# Allegro board S071AA-0413-20260427_Power3.brd (continued)
## Routing (per net, layer and track width the routed paths; a pad name or vN(x,y) marks a point on that pad's centre or on a via; arc(x,y) is an arc through that point) (continued)
91.71,394.77 ; D432.A11 30.75,407.47 ; D432.A11 31.82,406.4 ; D432.A11 30.75,405.33 ; D432.A11 29.68,406.4 ; 119.65,37.03 D124.B13 ; D124.B13 119.65,39.17 ; D124.B13 118.58,38.1 ; D124.B13 120.72,38.1 ; D107.A15 272.05,54.41 ; D107.A15 272.05,52.27 ; D107.A15 273.12,53.34 ; D107.A15 270.98,53.34 ; D119.B2 19.12,60.96 ; D119.B2 18.05,62.03 ; D119.B2 18.05,59.89 ; D119.B2 16.98,60.96 ; D115.A3 199.46,375.92 ; D115.A3 198.39,376.99 ; D115.A3 197.32,375.92 ; D115.A3 198.39,374.85 ; 169.38,353.06 D114.A14 ; D114.A14 171.52,353.06 ; D114.A14 170.45,354.13 ; D114.A14 170.45,351.99 ; D431.B12 29.28,378.46 ; D431.B12 28.21,377.39 ; D431.B12 27.14,378.46 ; D431.B12 28.21,379.53 ; 44.72,353.54 UHC230.G3_5 ; UHC230.G3_5 45.53,352.73 ; UHC230.G3_5 46.34,353.54 ; UHC230.G3_5 45.53,354.35 ; 189.7,388.62 D116.B6 ; D116.B6 190.77,387.55 ; D116.B6 191.84,388.62 ; D116.B6 190.77,389.69 ; D115.B8 186.76,368.3 ; D115.B8 185.69,367.23 ; D115.B8 185.69,369.37 ; D115.B8 184.62,368.3 ; UHC430.G2_4 47.83,364.51 ; UHC430.G2_4 47.83,362.89 ; UHC430.G2_4 48.64,363.7 ; UHC430.G2_4 47.02,363.7 ; D232.B13 25.67,392.23 ; D232.B13 24.6,391.16 ; D232.B13 26.74,391.16 ; D232.B13 25.67,390.09 ; 23.13,59.89 D119.B4 ; D119.B4 22.06,60.96 ; D119.B4 23.13,62.03 ; D119.B4 24.2,60.96 ; 128.74,401.32 D428.B1 ; D428.B1 129.81,400.25 ; D428.B1 129.81,402.39 ; D428.B1 130.88,401.32 ; SB14.1 113.9,11.83 114.57,12.5 DPS3.A11 ; CSDPS429.C7 40.91,341.43 ; CSDPS429.C7 40.91,339.29 ; CSDPS429.C7 41.98,340.36 ; CSDPS429.C7 39.84,340.36 ; D119.A7 31.82,53.34 ; D119.A7 30.75,52.27 ; D119.A7 30.75,54.41 ; D119.A7 29.68,53.34 ; DPS3.B01 89.17,17.58 ; DPS3.B01 88.1,16.51 ; DPS3.B01 90.24,16.51 ; DPS3.B01 89.17,15.44 ; 109.49,339.29 CSDPS425.C9 ; CSDPS425.C9 110.56,340.36 ; CSDPS425.C9 108.42,340.36 ; CSDPS425.C9 109.49,341.43 ; 116.04,393.7 D228.A6 ; D228.A6 118.18,393.7 ; D228.A6 117.11,392.63 ; D228.A6 117.11,394.77 ; 19.18,361.14 UHC430.G1_6 ; UHC430.G1_6 18.37,361.95 ; UHC430.G1_6 19.18,362.76 ; UHC430.G1_6 19.99,361.95 ; D105.B7 252.8,99.06 ; D105.B7 251.73,100.13 ; D105.B7 250.66,99.06 ; D105.B7 251.73,97.99 ; 117.11,75.13 D122.A12 ; D122.A12 116.04,76.2 ; D122.A12 117.11,77.27 ; D122.A12 118.18,76.2 ; 103.34,386.08 D427.A11 ; D427.A11 105.48,386.08 ; D427.A11 104.41,387.15 ; D427.A11 104.41,385.01 ; D102.A2 166.44,76.2 ; D102.A2 164.3,76.2 ; D102.A2 165.37,77.27 ; D102.A2 165.37,75.13 ; 43.45,331.67 CSDPS229.B6 ; CSDPS229.B6 42.38,332.74 ; CSDPS229.B6 44.52,332.74 ; CSDPS229.B6 43.45,333.81 ; D227.B9 109.49,371.91 ; D227.B9 109.49,369.77 ; D227.B9 108.42,370.84 ; D227.B9 110.56,370.84 ; D110.A12 249.19,354.13 ; D110.A12 249.19,351.99 ; D110.A12 250.26,353.06 ; D110.A12 248.12,353.06 ; 53.36,147.98 KS3.6 ; KS3.6 52.24,149.1 ; KS3.6 53.36,150.22 ; KS3.6 54.47,149.1 ; D227.A10 106.95,374.45 ; D227.A10 106.95,372.31 ; D227.A10 108.02,373.38 ; D227.A10 105.88,373.38 ; D119.A9 35.83,54.41 ; D119.A9 34.76,53.34 ; D119.A9 36.9,53.34 ; D119.A9 35.83,52.27 ; 273.52,60.96 D107.B16 ; D107.B16 274.59,62.03 ; D107.B16 275.66,60.96 ; D107.B16 274.59,59.89 ; D123.A1 89.17,54.41 ; D123.A1 89.17,52.27 ; D123.A1 90.24,53.34 ; D123.A1 88.1,53.34 ; D428.B17 90.24,401.32 ; D428.B17 88.1,401.32 ; D428.B17 89.17,400.25 ; D428.B17 89.17,402.39 ; D115.A1 203.47,376.99 ; D115.A1 203.47,374.85 ; D115.A1 204.54,375.92 ; D115.A1 202.4,375.92 ; 254.27,367.23 D111.B10 ; D111.B10 255.34,368.3 ; D111.B10 253.2,368.3 ; D111.B10 254.27,369.37 ; D432.A3 51.07,407.47 ; D432.A3 52.14,406.4 ; D432.A3 50,406.4 ; D432.A3 51.07,405.33 ; D106.B4 244.11,82.35 ; D106.B4 243.04,81.28 ; D106.B4 244.11,80.21 ; D106.B4 245.18,81.28 ; D103.A15 198.39,54.41 ; D103.A15 199.46,53.34 ; D103.A15 198.39,52.27 ; D103.A15 197.32,53.34 ; 89.17,395.17 D228.A17 ; D228.A17 88.1,396.24 ; D228.A17 90.24,396.24 ; D228.A17 89.17,397.31 ; 119.65,52.27 D123.A13 ; D123.A13 120.72,53.34 ; D123.A13 118.58,53.34 ; D123.A13 119.65,54.41 ; D108.B2 239.03,41.71 ; D108.B2 239.03,39.57 ; D108.B2 240.1,40.64 ; D108.B2 237.96,40.64 ; 195.85,346.91 D114.B4 ; D114.B4 196.92,347.98 ; D114.B4 194.78,347.98 ; D114.B4 195.85,349.05 ; 258.28,55.88 D107.A10 ; D107.A10 259.35,56.95 ; D107.A10 260.42,55.88 ; D107.A10 259.35,54.81 ; DPS8.C15 20.59,411.28 ; DPS8.C15 21.66,410.21 ; DPS8.C15 20.59,409.14 ; DPS8.C15 19.52,410.21 ; D103.A7 178.07,54.41 ; D103.A7 178.07,52.27 ; D103.A7 177,53.34 ; D103.A7 179.14,53.34 ; D106.B1 237.56,78.74 ; D106.B1 235.42,78.74 ; D106.B1 236.49,79.81 ; D106.B1 236.49,77.67 ; 254.27,351.99 D110.A10 ; D110.A10 255.34,353.06 ; D110.A10 254.27,354.13 ; D110.A10 253.2,353.06 ; D432.B5 45.99,402.39 ; D432.B5 45.99,400.25 ; D432.B5 47.06,401.32 ; D432.B5 44.92,401.32 ; 256.81,369.77 D111.B9 ; D111.B9 255.74,370.84 ; D111.B9 256.81,371.91 ; D111.B9 257.88,370.84 ; D228.B14 96.79,389.69 ; D228.B14 97.86,388.62 ; D228.B14 95.72,388.62 ; D228.B14 96.79,387.55 ; 170.45,39.57 D104.B4 ; D104.B4 170.45,41.71 ; D104.B4 171.52,40.64 ; D104.B4 169.38,40.64 ; D124.A11 115.64,33.02 ; D124.A11 114.57,31.95 ; D124.A11 114.57,34.09 ; D124.A11 113.5,33.02 ; D104.A1 162.83,34.09 ; D104.A1 161.76,33.02 ; D104.A1 163.9,33.02 ; D104.A1 162.83,31.95 ; 20.59,339.29 CSDPS429.C15 ; CSDPS429.C15 19.52,340.36 ; CSDPS429.C15 20.59,341.43 ; CSDPS429.C15 21.66,340.36 ; D106.B13 268.04,78.74 ; D106.B13 266.97,77.67 ; D106.B13 266.97,79.81 ; D106.B13 265.9,78.74 ; 273.52,393.7 D112.A2 ; D112.A2 274.59,394.77 ; D112.A2 275.66,393.7 ; D112.A2 274.59,392.63 ; 104.41,72.59 D122.A7 ; D122.A7 105.48,73.66 ; D122.A7 103.34,73.66 ; D122.A7 104.41,74.73 ; 263.36,347.98 D110.B6 ; D110.B6 264.43,346.91 ; D110.B6 264.43,349.05 ; D110.B6 265.5,347.98 ; D105.A16 275.66,96.52 ; D105.A16 274.59,95.45 ; D105.A16 273.52,96.52 ; D105.A16 274.59,97.59 ; 198.39,349.45 D114.B3 ; D114.B3 197.32,350.52 ; D114.B3 198.39,351.59 ; D114.B3 199.46,350.52 ; 197.32,370.84 D115.B3 ; D115.B3 198.39,369.77 ; D115.B3 198.39,371.91 ; D115.B3 199.46,370.84 ; D120.B1 16.58,38.1 ; D120.B1 15.51,39.17 ; D120.B1 15.51,37.03 ; D120.B1 14.44,38.1 ; D102.B12 191.84,81.28 ; D102.B12 189.7,81.28 ; D102.B12 190.77,82.35 ; D102.B12 190.77,80.21 ; 199.86,96.52 D101.A16 ; D101.A16 200.93,95.45 ; D101.A16 200.93,97.59 ; D101.A16 202,96.52 ; 184.62,101.6 D101.B10 ; D101.B10 185.69,102.67 ; D101.B10 186.76,101.6 ; D101.B10 185.69,100.53 ; 129.81,329.13 CSDPS225.C1 ; CSDPS225.C1 129.81,331.27 ; CSDPS225.C1 130.88,330.2 ; CSDPS225.C1 128.74,330.2 ; 203.47,329.13 D113.B1 ; D113.B1 204.54,330.2 ; D113.B1 202.4,330.2 ; D113.B1 203.47,331.27 ; 34.76,370.84 D231.B9 ; D231.B9 35.83,369.77 ; D231.B9 35.83,371.91 ; D231.B9 36.9,370.84 ; UHC230.G3_10 46.34,350.04 ; UHC230.G3_10 45.53,350.85 ; UHC230.G3_10 45.53,349.23 ; UHC230.G3_10 44.72,350.04 ; 250.66,93.98 D105.A7 ; D105.A7 251.73,95.05 ; D105.A7 252.8,93.98 ; D105.A7 251.73,92.91 ; D432.A14 23.13,404.93 ; D432.A14 22.06,403.86 ; D432.A14 24.2,403.86 ; D432.A14 23.13,402.79 ; 16.98,388.62 D232.B16 ; D232.B16 18.05,389.69 ; D232.B16 19.12,388.62 ; D232.B16 18.05,387.55 ; 91.71,80.21 D122.B2 ; D122.B2 92.78,81.28 ; D122.B2 90.64,81.28 ; D122.B2 91.71,82.35 ; 193.31,329.13 D113.B5 ; D113.B5 192.24,330.2 ; D113.B5 193.31,331.27 ; D113.B5 194.38,330.2 ; D107.A12 265.5,55.88 ; D107.A12 263.36,55.88 ; D107.A12 264.43,54.81 ; D107.A12 264.43,56.95 ; D103.A11 189.3,53.34 ; D103.A11 188.23,52.27 ; D103.A11 187.16,53.34 ; D103.A11 188.23,54.41 ; 128.74,370.84 D227.B1 ; D227.B1 129.81,371.91 ; D227.B1 129.81,369.77 ; D227.B1 130.88,370.84 ; 39.84,73.66 D118.A11 ; D118.A11 41.98,73.66 ; D118.A11 40.91,72.59 ; D118.A11 40.91,74.73 ; 126.2,388.62 D228.B2 ; D228.B2 128.34,388.62 ; D228.B2 127.27,387.55 ; D228.B2 127.27,389.69 ; 113.5,370.84 D227.B7 ; D227.B7 114.57,371.91 ; D227.B7 115.64,370.84 ; D227.B7 114.57,369.77 ; D231.B13 25.67,371.91 ; D231.B13 24.6,370.84 ; D231.B13 25.67,369.77 ; D231.B13 26.74,370.84 ; 20.59,92.91 D117.A3 ; D117.A3 20.59,95.05 ; D117.A3 19.52,93.98 ; D117.A3 21.66,93.98 ; D107.B12 265.5,60.96 ; D107.B12 264.43,59.89 ; D107.B12 263.36,60.96 ; D107.B12 264.43,62.03 ; D231.B6 44.52,368.3 ; D231.B6 43.45,369.37 ; D231.B6 43.45,367.23 ; D231.B6 42.38,368.3 ; 39.84,53.34 D119.A11 ; D119.A11 40.91,54.41 ; D119.A11 41.98,53.34 ; D119.A11 40.91,52.27 ; CSDPS425.C1 130.88,340.36 ; CSDPS425.C1 129.81,341.43 ; CSDPS425.C1 128.74,340.36 ; CSDPS425.C1 129.81,339.29 ; 169.38,332.74 D113.A14 ; D113.A14 171.52,332.74 ; D113.A14 170.45,333.81 ; D113.A14 170.45,331.67 ; 188.23,92.91 D101.A11 ; D101.A11 189.3,93.98 ; D101.A11 187.16,93.98 ; D101.A11 188.23,95.05 ; D119.A12 44.52,55.88 ; D119.A12 43.45,54.81 ; D119.A12 42.38,55.88 ; D119.A12 43.45,56.95 ; CSDPS229.B16 18.05,333.81 ; CSDPS229.B16 19.12,332.74 ; CSDPS229.B16 18.05,331.67 ; CSDPS229.B16 16.98,332.74 ; 127.27,402.79 D428.A2 ; D428.A2 126.2,403.86 ; D428.A2 128.34,403.86 ; D428.A2 127.27,404.93 ; 124.73,405.33 D428.A3 ; D428.A3 125.8,406.4 ; D428.A3 124.73,407.47 ; D428.A3 123.66,406.4 ; 170.45,95.45 D101.A4 ; D101.A4 170.45,97.59 ; D101.A4 171.52,96.52 ; D101.A4 169.38,96.52 ; 250.66,53.34 D107.A7 ; D107.A7 252.8,53.34 ; D107.A7 251.73,54.41 ; D107.A7 251.73,52.27 ; 244.11,75.13 D106.A4 ; D106.A4 244.11,77.27 ; D106.A4 243.04,76.2 ; D106.A4 245.18,76.2 ; D103.B1 163.9,58.42 ; D103.B1 162.83,57.35 ; D103.B1 162.83,59.49 ; D103.B1 161.76,58.42 ; D117.B11 40.91,100.13 ; D117.B11 40.91,97.99 ; D117.B11 41.98,99.06 ; D117.B11 39.84,99.06 ; 108.42,401.32 D428.B9 ; D428.B9 110.56,401.32 ; D428.B9 109.49,400.25 ; D428.B9 109.49,402.39 ; D104.A11 189.3,33.02 ; D104.A11 188.23,34.09 ; D104.A11 188.23,31.95 ; D104.A11 187.16,33.02 ; D105.A1 237.56,93.98 ; D105.A1 236.49,95.05 ; D105.A1 236.49,92.91 ; D105.A1 235.42,93.98 ; D123.B16 127.27,62.03 ; D123.B16 128.34,60.96 ; D123.B16 127.27,59.89 ; D123.B16 126.2,60.96 ; 190.77,351.99 D114.A6 ; D114.A6 189.7,353.06 ; D114.A6 190.77,354.13 ; D114.A6 191.84,353.06 ; 45.99,411.68 DPS8.B05 ; DPS8.B05 47.06,412.75 ; DPS8.B05 44.92,412.75 ; DPS8.B05 45.99,413.82 ; 93.18,391.16 D228.B15 ; D228.B15 95.32,391.16 ; D228.B15 94.25,390.09 ; D228.B15 94.25,392.23 ; 14.44,58.42 D119.B1 ; D119.B1 15.51,57.35 ; D119.B1 16.58,58.42 ; D119.B1 15.51,59.49 ; 245.58,99.06 D105.B5 ; D105.B5 246.65,100.13 ; D105.B5 247.72,99.06 ; D105.B5 246.65,97.99 ; D118.B16 54.68,81.28 ; D118.B16 53.61,80.21 ; D118.B16 53.61,82.35 ; D118.B16 52.54,81.28 ; D108.A3 242.64,33.02 ; D108.A3 241.57,31.95 ; D108.A3 241.57,34.09 ; D108.A3 240.5,33.02 ; 187.16,58.42 D103.B11 ; D103.B11 189.3,58.42 ; D103.B11 188.23,57.35 ; D103.B11 188.23,59.49 ; D109.B13 247.72,330.2 ; D109.B13 246.65,331.27 ; D109.B13 245.58,330.2 ; D109.B13 246.65,329.13 ; D122.B10 113.1,81.28 ; D122.B10 112.03,82.35 ; D122.B10 112.03,80.21 ; D122.B10 110.96,81.28 ; 95.72,398.78 D428.B14 ; D428.B14 96.79,397.71 ; D428.B14 96.79,399.85 ; D428.B14 97.86,398.78 ; 170.45,34.49 D104.A4 ; D104.A4 170.45,36.63 ; D104.A4 169.38,35.56 ; D104.A4 171.52,35.56 ; D116.B12 176.6,388.62 ; D116.B12 175.53,389.69 ; D116.B12 175.53,387.55 ; D116.B12 174.46,388.62 ; D109.A5 268.04,335.28 ; D109.A5 266.97,336.35 ; D109.A5 265.9,335.28 ; D109.A5 266.97,334.21 ; 112.03,377.39 D427.B8 ; D427.B8 110.96,378.46 ; D427.B8 112.03,379.53 ; D427.B8 113.1,378.46 ; D107.A16 274.59,56.95 ; D107.A16 275.66,55.88 ; D107.A16 274.59,54.81 ; D107.A16 273.52,55.88 ; 190.77,39.57 D104.B12 ; D104.B12 191.84,40.64 ; D104.B12 190.77,41.71 ; D104.B12 189.7,40.64 ; 101.87,80.21 D122.B6 ; D122.B6 100.8,81.28 ; D122.B6 101.87,82.35 ; D122.B6 102.94,81.28 ; CSDPS425.C11 105.48,340.36 ; CSDPS425.C11 104.41,341.43 ; CSDPS425.C11 103.34,340.36 ; CSDPS425.C11 104.41,339.29 ; D227.A11 105.48,375.92 ; D227.A11 103.34,375.92 ; D227.A11 104.41,374.85 ; D227.A11 104.41,376.99 ; 22.06,76.2 D118.A4 ; D118.A4 23.13,75.13 ; D118.A4 23.13,77.27 ; D118.A4 24.2,76.2 ; 24.6,396.24 D232.A13 ; D232.A13 25.67,395.17 ; D232.A13 25.67,397.31 ; D232.A13 26.74,396.24 ; 126.2,96.52 D121.A16 ; D121.A16 127.27,95.45 ; D121.A16 127.27,97.59 ; D121.A16 128.34,96.52 ; 20.59,329.13 CSDPS229.C15 ; CSDPS229.C15 20.59,331.27 ; CSDPS229.C15 21.66,330.2 ; CSDPS229.C15 19.52,330.2 ; 112.03,331.67 CSDPS225.B8 ; CSDPS225.B8 113.1,332.74 ; CSDPS225.B8 110.96,332.74 ; CSDPS225.B8 112.03,333.81 ; 245.58,16.51 DPS1.B05 ; DPS1.B05 246.65,15.44 ; DPS1.B05 247.72,16.51 ; DPS1.B05 246.65,17.58 ; CSDPS225.B10 106.95,333.81 ; CSDPS225.B10 108.02,332.74 ; CSDPS225.B10 106.95,331.67 ; CSDPS225.B10 105.88,332.74 ; 178.07,390.09 D116.B11 ; D116.B11 178.07,392.23 ; D116.B11 177,391.16 ; D116.B11 179.14,391.16 ; D105.A9 256.81,95.05 ; D105.A9 256.81,92.91 ; D105.A9 257.88,93.98 ; D105.A9 255.74,93.98 ; 99.33,359.61 CSDPS426.C13 ; CSDPS426.C13 100.4,360.68 ; CSDPS426.C13 98.26,360.68 ; CSDPS426.C13 99.33,361.75 ; 30.75,369.77 D231.B11 ; D231.B11 29.68,370.84 ; D231.B11 31.82,370.84 ; D231.B11 30.75,371.91 ; DPS3.A05 100.4,13.97 ; DPS3.A05 99.33,12.9 ; DPS3.A05 99.33,15.04 ; DPS3.A05 98.26,13.97 ; CSDPS226.B10 108.02,353.06 ; CSDPS226.B10 106.95,354.13 ; CSDPS226.B10 106.95,351.99 ; CSDPS226.B10 105.88,353.06 ; CSDPS429.B12 28.21,343.97 ; CSDPS429.B12 27.14,342.9 ; CSDPS429.B12 28.21,341.83 ; CSDPS429.B12 29.28,342.9 ; 164.3,60.96 D103.B2 ; D103.B2 166.44,60.96 ; D103.B2 165.37,59.89 ; D103.B2 165.37,62.03 ; 239.03,95.45 D105.A2 ; D105.A2 237.96,96.52 ; D105.A2 240.1,96.52 ; D105.A2 239.03,97.59 ; 195.85,392.63 D116.A4 ; D116.A4 196.92,393.7 ; D116.A4 194.78,393.7 ; D116.A4 195.85,394.77 ; D102.A7 178.07,74.73 ; D102.A7 178.07,72.59 ; D102.A7 177,73.66 ; D102.A7 179.14,73.66 ; D104.A6 175.53,36.63 ; D104.A6 176.6,35.56 ; D104.A6 174.46,35.56 ; D104.A6 175.53,34.49 ; D107.A13 268.04,53.34 ; D107.A13 265.9,53.34 ; D107.A13 266.97,52.27 ; D107.A13 266.97,54.41 ; 109.49,385.01 D427.A9 ; D427.A9 110.56,386.08 ; D427.A9 109.49,387.15 ; D427.A9 108.42,386.08 ; DPS3.A11 114.57,15.04 ; DPS3.A11 113.5,13.97 ; DPS3.A11 115.64,13.97 ; 45.99,385.01 D431.A5 ; D431.A5 44.92,386.08 ; D431.A5 45.99,387.15 ; D431.A5 47.06,386.08 ; 161.76,93.98 D101.A1 ; D101.A1 162.83,95.05 ; D101.A1 163.9,93.98 ; D101.A1 162.83,92.91 ; D102.A12 191.84,76.2 ; D102.A12 189.7,76.2 ; D102.A12 190.77,77.27 ; D102.A12 190.77,75.13 ; UHC430.G2_9 47.83,361.01 ; UHC430.G2_9 47.83,359.39 ; UHC430.G2_9 47.02,360.2 ; UHC430.G2_9 48.64,360.2 ; D114.B16 165.37,349.05 ; D114.B16 164.3,347.98 ; D114.B16 165.37,346.91 ; D114.B16 166.44,347.98 ; 48.17,365.45 UHC430.G2_1 ; UHC430.G2_1 49.79,365.45 ; UHC430.G2_1 48.98,364.64 ; UHC430.G2_1 48.98,366.26 ; 116.04,363.22 CSDPS426.B6 ; CSDPS426.B6 118.18,363.22 ; CSDPS426.B6 117.11,362.15 ; CSDPS426.B6 117.11,364.29 ; DPS3.C15 124.73,20.12 ; DPS3.C15 124.73,17.98 ; DPS3.C15 123.66,19.05 ; DPS3.C15 125.8,19.05 ; 255.74,33.02 D108.A9 ; D108.A9 257.88,33.02 ; D108.A9 256.81,34.09 ; D108.A9 256.81,31.95 ; 118.58,381 D427.B5 ; D427.B5 120.72,381 ; D427.B5 119.65,382.07 ; D427.B5 119.65,379.93 ; 53.61,39.57 D120.B16 ; D120.B16 52.54,40.64 ; D120.B16 53.61,41.71 ; D120.B16 54.68,40.64 ; D113.B14 171.52,327.66 ; D113.B14 169.38,327.66 ; D113.B14 170.45,328.73 ; D113.B14 170.45,326.59 ; 96.79,402.79 D428.A14 ; D428.A14 97.86,403.86 ; D428.A14 95.72,403.86 ; D428.A14 96.79,404.93 ; D227.B3 124.73,371.91 ; D227.B3 124.73,369.77 ; D227.B3 125.8,370.84 ; D227.B3 123.66,370.84 ; 23.13,34.49 D120.A4 ; D120.A4 23.13,36.63 ; D120.A4 24.2,35.56 ; D120.A4 22.06,35.56 ; 259.35,387.55 D112.B8 ; D112.B8 259.35,389.69 ; D112.B8 258.28,388.62 ; D112.B8 260.42,388.62 ; D113.B3 198.39,331.27 ; D113.B3 197.32,330.2 ; D113.B3 199.46,330.2 ; D113.B3 198.39,329.13 ; D111.B5 268.04,370.84 ; D111.B5 265.9,370.84 ; D111.B5 266.97,369.77 ; D111.B5 266.97,371.91 ; CSDPS426.C5 120.72,360.68 ; CSDPS426.C5 119.65,359.61 ; CSDPS426.C5 119.65,361.75 ; CSDPS426.C5 118.58,360.68 ; D427.A8 112.03,384.61 ; D427.A8 112.03,382.47 ; D427.A8 113.1,383.54 ; D427.A8 110.96,383.54 ; D103.B9 184.22,58.42 ; D103.B9 183.15,59.49 ; D103.B9 183.15,57.35 ; D103.B9 182.08,58.42 ; D121.A3 94.25,95.05 ; D121.A3 95.32,93.98 ; D121.A3 94.25,92.91 ; D121.A3 93.18,93.98 ; 258.28,40.64 D108.B10 ; D108.B10 259.35,41.71 ; D108.B10 260.42,40.64 ; D108.B10 259.35,39.57 ; 94.25,369.77 D227.B15 ; D227.B15 95.32,370.84 ; D227.B15 93.18,370.84 ; D227.B15 94.25,371.91 ; D111.A9 257.88,375.92 ; D111.A9 255.74,375.92 ; D111.A9 256.81,374.85 ; D111.A9 256.81,376.99 ; 198.39,72.59 D102.A15 ; D102.A15 198.39,74.73 ; D102.A15 197.32,73.66 ; D102.A15 199.46,73.66 ; 34.76,78.74 D118.B9 ; D118.B9 36.9,78.74 ; D118.B9 35.83,77.67 ; D118.B9 35.83,79.81 ; 128.74,396.24 D228.A1 ; D228.A1 129.81,397.31 ; D228.A1 129.81,395.17 ; D228.A1 130.88,396.24 ; D232.A10 34.36,393.7 ; D232.A10 33.29,392.63 ; D232.A10 33.29,394.77 ; D232.A10 32.22,393.7 ; D110.A16 239.03,354.13 ; D110.A16 239.03,351.99 ; D110.A16 237.96,353.06 ; D110.A16 240.1,353.06 ; 14.92,363.7 UHC430.G1_5 ; UHC430.G1_5 15.73,362.89 ; UHC430.G1_5 16.54,363.7 ; UHC430.G1_5 15.73,364.51 ; CSDPS226.B4 123.26,353.06 ; CSDPS226.B4 121.12,353.06 ; CSDPS226.B4 122.19,351.99 ; CSDPS226.B4 122.19,354.13 ; 95.72,373.38 D227.A14 ; D227.A14 96.79,374.45 ; D227.A14 97.86,373.38 ; D227.A14 96.79,372.31 ; D112.A16 239.03,394.77 ; D112.A16 239.03,392.63 ; D112.A16 237.96,393.7 ; D112.A16 240.1,393.7 ; 164.3,55.88 D103.A2 ; D103.A2 166.44,55.88 ; D103.A2 165.37,56.95 ; D103.A2 165.37,54.81 ; 95.72,363.22 CSDPS426.B14 ; CSDPS426.B14 96.79,364.29 ; CSDPS426.B14 96.79,362.15 ; CSDPS426.B14 97.86,363.22 ; D432.B3 52.14,401.32 ; D432.B3 51.07,400.25 ; D432.B3 50,401.32 ; D432.B3 51.07,402.39 ; 165.37,80.21 D102.B2 ; D102.B2 164.3,81.28 ; D102.B2 165.37,82.35 ; D102.B2 166.44,81.28 ; D118.A3 20.59,74.73 ; D118.A3 19.52,73.66 ; D118.A3 21.66,73.66 ; D118.A3 20.59,72.59 ; 16.98,368.3 D231.B16 ; D231.B16 18.05,367.23 ; D231.B16 19.12,368.3 ; D231.B16 18.05,369.37 ; 55.08,370.84 D231.B1 ; D231.B1 56.15,371.91 ; D231.B1 57.22,370.84 ; D231.B1 56.15,369.77 ; 260.82,375.92 D111.A7 ; D111.A7 261.89,376.99 ; D111.A7 261.89,374.85 ; D111.A7 262.96,375.92 ; CSDPS429.C1 57.22,340.36 ; CSDPS429.C1 56.15,339.29 ; CSDPS429.C1 56.15,341.43 ; CSDPS429.C1 55.08,340.36 ; UHC430.G1 16.88,362.76 ; UHC430.G1 17.69,361.95 ; UHC430.G1 16.07,361.95 ; UHC430.G1 16.88,361.14 ; 50,391.16 D232.B3 ; D232.B3 51.07,392.23 ; D232.B3 51.07,390.09 ; D232.B3 52.14,391.16 ; 265.9,396.24 D112.A5 ; D112.A5 268.04,396.24 ; D112.A5 266.97,397.31 ; D112.A5 266.97,395.17 ; 25.67,400.25 D432.B13 ; D432.B13 26.74,401.32 ; D432.B13 24.6,401.32 ; D432.B13 25.67,402.39 ; 22.06,101.6 D117.B4 ; D117.B4 24.2,101.6 ; D117.B4 23.13,102.67 ; D117.B4 23.13,100.53 ; 105.88,40.64 D124.B8 ; D124.B8 106.95,39.57 ; D124.B8 108.02,40.64 ; D124.B8 106.95,41.71 ; CSDPS425.B4 123.26,342.9 ; CSDPS425.B4 121.12,342.9 ; CSDPS425.B4 122.19,343.97 ; CSDPS425.B4 122.19,341.83 ; D427.A10 106.95,384.61 ; D427.A10 108.02,383.54 ; D427.A10 105.88,383.54 ; D427.A10 106.95,382.47
  L02_DGND w0.203: 170.45,352.25 D114.A14 ; D114.A14 171.26,353.06 ; D114.A14 170.45,353.87 ; D114.A14 169.64,353.06 ; 51.07,329.39 CSDPS229.C3 ; CSDPS229.C3 50.26,330.2 ; CSDPS229.C3 51.07,331.01 ; CSDPS229.C3 51.88,330.2 ; D113.B11 178.07,331.01 ; D113.B11 177.26,330.2 ; D113.B11 178.88,330.2 ; D113.B11 178.07,329.39 ; D110.B1 277.94,350.52 ; D110.B1 277.13,351.33 ; D110.B1 276.32,350.52 ; D110.B1 277.13,349.71 ; D231.A5 45.99,376.73 ; D231.A5 45.18,375.92 ; D231.A5 46.8,375.92 ; D231.A5 45.99,375.11 ; 195.85,39.83 D104.B14 ; D104.B14 196.66,40.64 ; D104.B14 195.85,41.45 ; D104.B14 195.04,40.64 ; D120.B3 21.4,38.1 ; D120.B3 20.59,37.29 ; D120.B3 19.78,38.1 ; D120.B3 20.59,38.91 ; 112.03,100.79 D121.B10 ; D121.B10 111.22,101.6 ; D121.B10 112.03,102.41 ; D121.B10 112.84,101.6 ; 126.46,363.22 CSDPS426.B2 ; CSDPS426.B2 127.27,362.41 ; CSDPS426.B2 127.27,364.03 ; CSDPS426.B2 128.08,363.22 ; 245.84,375.92 D111.A13 ; D111.A13 246.65,375.11 ; D111.A13 246.65,376.73 ; D111.A13 247.46,375.92 ; 244.11,95.71 D105.A4 ; D105.A4 243.3,96.52 ; D105.A4 244.92,96.52 ; D105.A4 244.11,97.33 ; D105.B5 247.46,99.06 ; D105.B5 246.65,99.87 ; D105.B5 245.84,99.06 ; D105.B5 246.65,98.25 ; 35.83,57.61 D119.B9 ; D119.B9 35.02,58.42 ; D119.B9 35.83,59.23 ; D119.B9 36.64,58.42 ; D227.B3 125.54,370.84 ; D227.B3 124.73,371.65 ; D227.B3 123.92,370.84 ; D227.B3 124.73,370.03 ; D112.A6 264.43,394.51 ; D112.A6 265.24,393.7 ; D112.A6 264.43,392.89 ; D112.A6 263.62,393.7 ; 238.22,55.88 D107.A2 ; D107.A2 239.84,55.88 ; D107.A2 239.03,55.07 ; D107.A2 239.03,56.69 ; 108.68,375.92 D227.A9 ; D227.A9 109.49,375.11 ; D227.A9 109.49,376.73 ; D227.A9 110.3,375.92 ; DPS8.B15 21.4,412.75 ; DPS8.B15 20.59,411.94 ; DPS8.B15 20.59,413.56 ; DPS8.B15 19.78,412.75 ; D109.B3 272.05,331.01 ; D109.B3 271.24,330.2 ; D109.B3 272.05,329.39 ; D109.B3 272.86,330.2 ; 264.43,80.47 D106.B12 ; D106.B12 263.62,81.28 ; D106.B12 264.43,82.09 ; D106.B12 265.24,81.28 ; 197.58,335.28 D113.A3 ; D113.A3 199.2,335.28 ; D113.A3 198.39,334.47 ; D113.A3 198.39,336.09 ; 22.32,60.96 D119.B4 ; D119.B4 23.13,61.77 ; D119.B4 23.94,60.96 ; D119.B4 23.13,60.15 ; 272.05,72.85 D106.A15 ; D106.A15 271.24,73.66 ; D106.A15 272.05,74.47 ; D106.A15 272.86,73.66 ; DPS1.C11 262.7,19.05 ; DPS1.C11 261.08,19.05 ; DPS1.C11 261.89,18.24 ; DPS1.C11 261.89,19.86 ; D115.B6 190.77,369.11 ; D115.B6 189.96,368.3 ; D115.B6 190.77,367.49 ; D115.B6 191.58,368.3 ; D227.B5 120.46,370.84 ; D227.B5 118.84,370.84 ; D227.B5 119.65,370.03 ; D227.B5 119.65,371.65 ; 43.45,342.09 CSDPS429.B6 ; CSDPS429.B6 42.64,342.9 ; CSDPS429.B6 43.45,343.71 ; CSDPS429.B6 44.26,342.9 ; D232.B2 54.42,388.62 ; D232.B2 52.8,388.62 ; D232.B2 53.61,389.43 ; D232.B2 53.61,387.81 ; D228.B7 114.57,391.97 ; D228.B7 113.76,391.16 ; D228.B7 115.38,391.16 ; D228.B7 114.57,390.35 ; 13.77,358.45 UHC430.G1_13 ; UHC430.G1_13 14.58,359.26 ; UHC430.G1_13 14.58,357.64 ; UHC430.G1_13 15.39,358.45 ; D124.A14 123,35.56 ; D124.A14 122.19,36.37 ; D124.A14 122.19,34.75 ; D124.A14 121.38,35.56 ; 101.06,342.9 CSDPS425.B12 ; CSDPS425.B12 102.68,342.9 ; CSDPS425.B12 101.87,343.71 ; CSDPS425.B12 101.87,342.09 ; DPS1.C01 236.49,19.86 ; DPS1.C01 235.68,19.05 ; DPS1.C01 237.3,19.05 ; DPS1.C01 236.49,18.24 ; 95.98,383.54 D427.A14 ; D427.A14 96.79,382.73 ; D427.A14 96.79,384.35 ; D427.A14 97.6,383.54 ; D432.A17 15.51,407.21 ; D432.A17 15.51,405.59 ; D432.A17 16.32,406.4 ; D432.A17 14.7,406.4 ; 88.36,58.42 D123.B1 ; D123.B1 89.17,59.23 ; D123.B1 89.98,58.42 ; D123.B1 89.17,57.61 ; 45.18,53.34 D119.A13 ; D119.A13 45.99,54.15 ; D119.A13 46.8,53.34 ; D119.A13 45.99,52.53 ; 112.03,60.15 D123.B10 ; D123.B10 112.03,61.77 ; D123.B10 112.84,60.96 ; D123.B10 111.22,60.96 ; D231.B1 56.15,371.65 ; D231.B1 56.15,370.03 ; D231.B1 56.96,370.84 ; D231.B1 55.34,370.84 ; D120.A15 51.88,33.02 ; D120.A15 50.26,33.02 ; D120.A15 51.07,32.21 ; D120.A15 51.07,33.83 ; 241.57,93.17 D105.A3 ; D105.A3 240.76,93.98 ; D105.A3 241.57,94.79 ; D105.A3 242.38,93.98 ; D108.A16 275.4,35.56 ; D108.A16 273.78,35.56 ; D108.A16 274.59,36.37 ; D108.A16 274.59,34.75 ; D101.A16 201.74,96.52 ; D101.A16 200.93,95.71 ; D101.A16 200.93,97.33 ; D101.A16 200.12,96.52 ; D107.A16 275.4,55.88 ; D107.A16 274.59,55.07 ; D107.A16 273.78,55.88 ; D107.A16 274.59,56.69 ; 40.91,72.85 D118.A11 ; D118.A11 40.91,74.47 ; D118.A11 41.72,73.66 ; D118.A11 40.1,73.66 ; D108.B16 274.59,41.45 ; D108.B16 275.4,40.64 ; D108.B16 274.59,39.83 ; D108.B16 273.78,40.64 ; D105.A2 239.84,96.52 ; D105.A2 239.03,95.71 ; D105.A2 238.22,96.52 ; D105.A2 239.03,97.33 ; 50.26,396.24 D232.A3 ; D232.A3 51.07,395.43 ; D232.A3 51.88,396.24 ; D232.A3 51.07,397.05 ; D111.B15 241.57,371.65 ; D111.B15 242.38,370.84 ; D111.B15 240.76,370.84 ; D111.B15 241.57,370.03 ; D104.B9 183.96,38.1 ; D104.B9 183.15,38.91 ; D104.B9 183.15,37.29 ; D104.B9 182.34,38.1 ; 129.81,370.03 D227.B1 ; D227.B1 129.81,371.65 ; D227.B1 130.62,370.84 ; D227.B1 129,370.84 ; 98.52,391.16 D228.B13 ; D228.B13 99.33,391.97 ; D228.B13 99.33,390.35 ; D228.B13 100.14,391.16 ; D106.B1 236.49,79.55 ; D106.B1 237.3,78.74 ; D106.B1 236.49,77.93 ; D106.B1 235.68,78.74 ; 172.99,93.17 D101.A5 ; D101.A5 172.18,93.98 ; D101.A5 172.99,94.79 ; D101.A5 173.8,93.98 ; D103.B12 190.77,61.77 ; D103.B12 189.96,60.96 ; D103.B12 191.58,60.96 ; D103.B12 190.77,60.15 ; 200.12,347.98 D114.B2 ; D114.B2 200.93,348.79 ; D114.B2 201.74,347.98 ; D114.B2 200.93,347.17 ; 24.86,38.1 D120.B5 ; D120.B5 25.67,37.29 ; D120.B5 25.67,38.91 ; D120.B5 26.48,38.1 ; D227.B14 96.79,369.11 ; D227.B14 96.79,367.49 ; D227.B14 95.98,368.3 ; D227.B14 97.6,368.3 ; 15.51,52.53 D119.A1 ; D119.A1 16.32,53.34 ; D119.A1 14.7,53.34 ; D119.A1 15.51,54.15 ; D232.A10 34.1,393.7 ; D232.A10 33.29,392.89 ; D232.A10 33.29,394.51 ; D232.A10 32.48,393.7 ; 94.25,57.61 D123.B3 ; D123.B3 93.44,58.42 ; D123.B3 94.25,59.23 ; D123.B3 95.06,58.42 ; UHC230.G3_11 49.79,348.29 ; UHC230.G3_11 48.17,348.29 ; UHC230.G3_11 48.98,349.1 ; UHC230.G3_11 48.98,347.48 ; 202.66,415.29 DPS2.A01 ; DPS2.A01 203.47,414.48 ; DPS2.A01 203.47,416.1 ; DPS2.A01 204.28,415.29 ; 104.41,380.19 D427.B11 ; D427.B11 103.6,381 ; D427.B11 104.41,381.81 ; D427.B11 105.22,381 ; D119.A16 54.42,55.88 ; D119.A16 53.61,55.07 ; D119.A16 52.8,55.88 ; D119.A16 53.61,56.69 ; 13.77,361.95 UHC430.G1_8 ; UHC430.G1_8 14.58,361.14 ; UHC430.G1_8 15.39,361.95 ; UHC430.G1_8 14.58,362.76 ; 96.79,342.09 CSDPS425.B14 ; CSDPS425.B14 95.98,342.9 ; CSDPS425.B14 97.6,342.9 ; CSDPS425.B14 96.79,343.71 ; D123.A10 112.03,56.69 ; D123.A10 112.03,55.07 ; D123.A10 112.84,55.88 ; D123.A10 111.22,55.88 ; D111.A3 272.05,376.73 ; D111.A3 272.05,375.11 ; D111.A3 272.86,375.92 ; D111.A3 271.24,375.92 ; 88.36,53.34 D123.A1 ; D123.A1 89.98,53.34 ; D123.A1 89.17,54.15 ; D123.A1 89.17,52.53 ; D431.B2 54.42,378.46 ; D431.B2 53.61,377.65 ; D431.B2 52.8,378.46 ; D431.B2 53.61,379.27 ; 111.22,393.7 D228.A8 ; D228.A8 112.03,394.51 ; D228.A8 112.84,393.7 ; D228.A8 112.03,392.89 ; 249.19,326.85 D109.B12 ; D109.B12 248.38,327.66 ; D109.B12 250,327.66 ; D109.B12 249.19,328.47 ; 251.73,52.53 D107.A7 ; D107.A7 252.54,53.34 ; D107.A7 251.73,54.15 ; D107.A7 250.92,53.34 ; D121.B4 96.79,102.41 ; D121.B4 95.98,101.6 ; D121.B4 96.79,100.79 ; D121.B4 97.6,101.6 ; D104.B10 185.69,41.45 ; D104.B10 185.69,39.83 ; D104.B10 186.5,40.64 ; D104.B10 184.88,40.64 ; D113.A8 185.69,333.55 ; D113.A8 184.88,332.74 ; D113.A8 186.5,332.74 ; D113.A8 185.69,331.93 ; D111.B11 252.54,370.84 ; D111.B11 251.73,370.03 ; D111.B11 250.92,370.84 ; D111.B11 251.73,371.65 ; D231.A10 34.1,373.38 ; D231.A10 33.29,372.57 ; D231.A10 32.48,373.38 ; D231.A10 33.29,374.19 ; 91.71,387.81 D228.B16 ; D228.B16 92.52,388.62 ; D228.B16 90.9,388.62 ; D228.B16 91.71,389.43 ; D121.B16 127.27,102.41 ; D121.B16 128.08,101.6 ; D121.B16 127.27,100.79 ; D121.B16 126.46,101.6 ; 101.87,95.71 D121.A6 ; D121.A6 101.06,96.52 ; D121.A6 102.68,96.52 ; D121.A6 101.87,97.33 ; 25.67,329.39 CSDPS229.C13 ; CSDPS229.C13 24.86,330.2 ; CSDPS229.C13 25.67,331.01 ; CSDPS229.C13 26.48,330.2 ; CSDPS426.B8 112.03,364.03 ; CSDPS426.B8 112.84,363.22 ; CSDPS426.B8 111.22,363.22 ; CSDPS426.B8 112.03,362.41 ; 14.7,375.92 D231.A17 ; D231.A17 16.32,375.92 ; D231.A17 15.51,375.11 ; D231.A17 15.51,376.73 ; 27.4,388.62 D232.B12 ; D232.B12 28.21,389.43 ; D232.B12 29.02,388.62 ; D232.B12 28.21,387.81 ; CSDPS425.C15 95.06,340.36 ; CSDPS425.C15 93.44,340.36 ; CSDPS425.C15 94.25,341.17 ; CSDPS425.C15 94.25,339.55 ; 256,375.92 D111.A9 ; D111.A9 256.81,376.73 ; D111.A9 256.81,375.11 ; D111.A9 257.62,375.92 ; D431.B7 40.91,381.81 ; D431.B7 40.91,380.19 ; D431.B7 41.72,381 ; D431.B7 40.1,381 ; D110.B12 249.19,348.79 ; D110.B12 248.38,347.98 ; D110.B12 250,347.98 ; D110.B12 249.19,347.17 ; D428.A11 105.22,406.4 ; D428.A11 103.6,406.4 ; D428.A11 104.41,405.59 ; D428.A11 104.41,407.21 ; 273.78,393.7 D112.A2 ; D112.A2 275.4,393.7 ; D112.A2 274.59,394.51 ; D112.A2 274.59,392.89 ; 23.13,342.09 CSDPS429.B14 ; CSDPS429.B14 22.32,342.9 ; CSDPS429.B14 23.94,342.9 ; CSDPS429.B14 23.13,343.71 ; D107.A1 236.49,54.15 ; D107.A1 237.3,53.34 ; D107.A1 236.49,52.53 ; D107.A1 235.68,53.34 ; D106.A6 250,76.2 ; D106.A6 248.38,76.2 ; D106.A6 249.19,77.01 ; D106.A6 249.19,75.39 ; D111.A14 244.11,374.19 ; D111.A14 244.92,373.38 ; D111.A14 243.3,373.38 ; D111.A14 244.11,372.57 ; DPS8.A15 21.4,415.29 ; DPS8.A15 20.59,414.48 ; DPS8.A15 20.59,416.1 ; DPS8.A15 19.78,415.29 ; D123.A5 99.33,54.15 ; D123.A5 98.52,53.34 ; D123.A5 100.14,53.34 ; D123.A5 99.33,52.53 ; 244.11,367.49 D111.B14 ; D111.B14 244.11,369.11 ; D111.B14 244.92,368.3 ; D111.B14 243.3,368.3 ; D103.A6 176.34,55.88 ; D103.A6 175.53,56.69 ; D103.A6 174.72,55.88 ; D103.A6 175.53,55.07 ; D101.A9 183.96,93.98 ; D101.A9 182.34,93.98 ; D101.A9 183.15,94.79 ; D101.A9 183.15,93.17 ; 42.64,332.74 CSDPS229.B6 ; CSDPS229.B6 43.45,331.93 ; CSDPS229.B6 43.45,333.55 ; CSDPS229.B6 44.26,332.74 ; D231.B2 53.61,369.11 ; D231.B2 54.42,368.3 ; D231.B2 52.8,368.3 ; D231.B2 53.61,367.49 ; D103.A1 163.64,53.34 ; D103.A1 162.02,53.34 ; D103.A1 162.83,52.53 ; D103.A1 162.83,54.15 ; 129,401.32 D428.B1 ; D428.B1 130.62,401.32 ; D428.B1 129.81,400.51 ; D428.B1 129.81,402.13 ; 180.61,352.25 D114.A10 ; D114.A10 179.8,353.06 ; D114.A10 180.61,353.87 ; D114.A10 181.42,353.06 ; D432.B1 56.15,402.13 ; D432.B1 55.34,401.32 ; D432.B1 56.15,400.51 ; D432.B1 56.96,401.32 ; D232.B13 25.67,391.97 ; D232.B13 25.67,390.35 ; D232.B13 26.48,391.16 ; D232.B13 24.86,391.16 ; D119.A15 51.07,54.15 ; D119.A15 50.26,53.34 ; D119.A15 51.07,52.53 ; D119.A15 51.88,53.34 ; D120.B9 36.64,38.1 ; D120.B9 35.83,37.29 ; D120.B9 35.83,38.91 ; D120.B9 35.02,38.1 ; 256,73.66 D106.A9 ; D106.A9 257.62,73.66 ; D106.A9 256.81,74.47 ; D106.A9 256.81,72.85 ; 19.78,391.16 D232.B15 ; D232.B15 20.59,391.97 ; D232.B15 21.4,391.16 ; D232.B15 20.59,390.35 ; D112.B12 249.19,389.43 ; D112.B12 248.38,388.62 ; D112.B12 250,388.62 ; D112.B12 249.19,387.81 ; D111.B5 266.97,371.65 ; D111.B5 266.16,370.84 ; D111.B5 266.97,370.03 ; D111.B5 267.78,370.84 ; D123.A2 91.71,56.69 ; D123.A2 91.71,55.07 ; D123.A2 92.52,55.88 ; D123.A2 90.9,55.88 ; 261.89,98.25 D105.B11 ; D105.B11 261.89,99.87 ; D105.B11 262.7,99.06 ; D105.B11 261.08,99.06 ; D116.B13 173.8,391.16 ; D116.B13 172.18,391.16 ; D116.B13 172.99,391.97 ; D116.B13 172.99,390.35 ; 258.54,55.88 D107.A10 ; D107.A10 259.35,55.07 ; D107.A10 260.16,55.88 ; D107.A10 259.35,56.69 ; D115.B1 204.28,370.84 ; D115.B1 202.66,370.84 ; D115.B1 203.47,370.03 ; D115.B1 203.47,371.65 ; 38.37,331.93 CSDPS229.B8 ; CSDPS229.B8 38.37,333.55 ; CSDPS229.B8 39.18,332.74 ; CSDPS229.B8 37.56,332.74 ; 256,33.02 D108.A9 ; D108.A9 256.81,32.21 ; D108.A9 256.81,33.83 ; D108.A9 257.62,33.02 ; 108.68,58.42 D123.B9 ; D123.B9 110.3,58.42 ; D123.B9 109.49,59.23 ; D123.B9 109.49,57.61 ; UHC230.G3_8 45.19,351.79 ; UHC230.G3_8 44.38,350.98 ; UHC230.G3_8 43.57,351.79 ; UHC230.G3_8 44.38,352.6 ; 112.03,34.75 D124.A10 ; D124.A10 112.03,36.37 ; D124.A10 111.22,35.56 ; D124.A10 112.84,35.56 ; D122.A6 101.87,77.01 ; D122.A6 102.68,76.2 ; D122.A6 101.87,75.39 ; D122.A6 101.06,76.2 ; D124.B3 95.06,38.1 ; D124.B3 94.25,38.91 ; D124.B3 94.25,37.29 ; D124.B3 93.44,38.1 ; D432.A7 40.91,407.21 ; D432.A7 41.72,406.4 ; D432.A7 40.91,405.59 ; D432.A7 40.1,406.4 ; 29.94,330.2 CSDPS229.C11 ; CSDPS229.C11 30.75,331.01 ; CSDPS229.C11 30.75,329.39 ; CSDPS229.C11 31.56,330.2 ; D115.A10 181.42,373.38 ; D115.A10 180.61,374.19 ; D115.A10 180.61,372.57 ; D115.A10 179.8,373.38 ; 256.81,52.53 D107.A9 ; D107.A9 256.81,54.15 ; D107.A9 257.62,53.34 ; D107.A9 256,53.34 ; 253.46,35.56 D108.A8 ; D108.A8 254.27,36.37 ; D108.A8 254.27,34.75 ; D108.A8 255.08,35.56 ; 169.64,55.88 D103.A4 ; D103.A4 170.45,55.07 ; D103.A4 170.45,56.69 ; D103.A4 171.26,55.88 ; 121.38,101.6 D121.B14 ; D121.B14 123,101.6 ; D121.B14 122.19,100.79 ; D121.B14 122.19,102.41 ; 200.12,368.3 D115.B2 ; D115.B2 200.93,367.49 ; D115.B2 200.93,369.11 ; D115.B2 201.74,368.3 ; 188.23,370.03 D115.B7 ; D115.B7 187.42,370.84 ; D115.B7 188.23,371.65 ; D115.B7 189.04,370.84 ; 50.26,391.16 D232.B3 ; D232.B3 51.07,390.35 ; D232.B3 51.88,391.16 ; D232.B3 51.07,391.97 ; 113.76,370.84 D227.B7 ; D227.B7 114.57,370.03 ; D227.B7 115.38,370.84 ; D227.B7 114.57,371.65 ; UHC430.G1_11 19.99,358.45 ; UHC430.G1_11 19.18,357.64 ; UHC430.G1_11 18.37,358.45 ; UHC430.G1_11 19.18,359.26 ; D112.A5 266.97,397.05 ; D112.A5 267.78,396.24 ; D112.A5 266.97,395.43 ; D112.A5 266.16,396.24 ; D227.B4 123,368.3 ; D227.B4 122.19,369.11 ; D227.B4 121.38,368.3 ; D227.B4 122.19,367.49 ; 188.23,329.39 D113.B7 ; D113.B7 188.23,331.01 ; D113.B7 187.42,330.2 ; D113.B7 189.04,330.2 ; D431.B17 16.32,381 ; D431.B17 14.7,381 ; D431.B17 15.51,381.81 ; D431.B17 15.51,380.19 ; 236.49,15.7 DPS1.B01 ; DPS1.B01 235.68,16.51 ; DPS1.B01 236.49,17.32 ; DPS1.B01 237.3,16.51 ; 45.18,386.08 D431.A5 ; D431.A5 45.99,386.89 ; D431.A5 46.8,386.08 ; D431.A5 45.99,385.27 ; 99.33,72.85 D122.A5 ; D122.A5 98.52,73.66 ; D122.A5 100.14,73.66 ; D122.A5 99.33,74.47 ; 40.91,32.21 D120.A11 ; D120.A11 40.1,33.02 ; D120.A11 40.91,33.83 ; D120.A11 41.72,33.02 ; 162.83,32.21 D104.A1 ; D104.A1 162.02,33.02 ; D104.A1 162.83,33.83 ; D104.A1 163.64,33.02 ; 124.73,339.55 CSDPS425.C3 ; CSDPS425.C3 124.73,341.17 ; CSDPS425.C3 123.92,340.36 ; CSDPS425.C3 125.54,340.36 ; CSDPS426.B6 117.11,364.03 ; CSDPS426.B6 117.11,362.41 ; CSDPS426.B6 116.3,363.22 ; CSDPS426.B6 117.92,363.22 ; D124.B13 119.65,38.91 ; D124.B13 119.65,37.29 ; D124.B13 118.84,38.1 ; D124.B13 120.46,38.1 ; 88.36,391.16 D228.B17 ; D228.B17 89.17,391.97 ; D228.B17 89.17,390.35 ; D228.B17 89.98,391.16 ; 273.78,81.28 D106.B16 ; D106.B16 274.59,82.09 ; D106.B16 274.59,80.47 ; D106.B16 275.4,81.28 ; D107.B15 272.05,59.23 ; D107.B15 271.24,58.42 ; D107.B15 272.86,58.42 ; D107.B15 272.05,57.61 ; 248.38,35.56 D108.A6 ; D108.A6 249.19,34.75 ; D108.A6 250,35.56 ; D108.A6 249.19,36.37 ; 40.91,390.35 D232.B7 ; D232.B7 41.72,391.16 ; D232.B7 40.1,391.16 ; D232.B7 40.91,391.97 ; D102.B4 170.45,82.09 ; D102.B4 170.45,80.47 ; D102.B4 169.64,81.28 ; D102.B4 171.26,81.28 ; D104.A3 168.72,33.02 ; D104.A3 167.91,33.83 ; D104.A3 167.91,32.21 ; D104.A3 167.1,33.02 ; 20.59,52.53 D119.A3 ; D119.A3 19.78,53.34 ; D119.A3 20.59,54.15 ; D119.A3 21.4,53.34 ; D432.A15 21.4,406.4 ; D432.A15 19.78,406.4 ; D432.A15 20.59,405.59 ; D432.A15 20.59,407.21 ; D105.A16 275.4,96.52 ; D105.A16 274.59,95.71 ; D105.A16 273.78,96.52 ; D105.A16 274.59,97.33 ; D114.A11 178.07,356.41 ; D114.A11 178.88,355.6 ; D114.A11 178.07,354.79 ; D114.A11 177.26,355.6 ; 90.9,363.22 CSDPS426.B16 ; CSDPS426.B16 91.71,362.41 ; CSDPS426.B16 91.71,364.03 ; CSDPS426.B16 92.52,363.22 ; 109.49,400.51 D428.B9 ; D428.B9 109.49,402.13 ; D428.B9 108.68,401.32 ; D428.B9 110.3,401.32 ; D428.A17 89.17,407.21 ; D428.A17 89.17,405.59 ; D428.A17 89.98,406.4 ; D428.A17 88.36,406.4 ; D120.A4 23.13,36.37 ; D120.A4 22.32,35.56 ; D120.A4 23.94,35.56 ; D120.A4 23.13,34.75 ; D124.A15 125.54,33.02 ; D124.A15 123.92,33.02 ; D124.A15 124.73,32.21 ; D124.A15 124.73,33.83 ; D123.A9 110.3,53.34 ; D123.A9 109.49,54.15 ; D123.A9 109.49,52.53 ; D123.A9 108.68,53.34 ; D104.B5 172.99,38.91 ; D104.B5 173.8,38.1 ; D104.B5 172.18,38.1 ; D104.B5 172.99,37.29 ; 187.42,78.74 D102.B11 ; D102.B11 188.23,79.55 ; D102.B11 188.23,77.93 ; D102.B11 189.04,78.74 ; 261.08,391.16 D112.B7 ; D112.B7 261.89,391.97 ; D112.B7 261.89,390.35 ; D112.B7 262.7,391.16 ; D432.B13 25.67,402.13 ; D432.B13 24.86,401.32 ; D432.B13 26.48,401.32 ; D432.B13 25.67,400.51 ; 253.46,81.28 D106.B8 ; D106.B8 255.08,81.28 ; D106.B8 254.27,82.09 ; D106.B8 254.27,80.47 ; 248.38,55.88 D107.A6 ; D107.A6 249.19,56.69 ; D107.A6 249.19,55.07 ; D107.A6 250,55.88 ; D231.A6 44.26,373.38 ; D231.A6 43.45,372.57 ; D231.A6 42.64,373.38 ; D231.A6 43.45,374.19 ; D123.B14 122.19,61.77 ; D123.B14 122.19,60.15 ; D123.B14 121.38,60.96 ; D123.B14 123,60.96 ; D106.B6 249.19,82.09 ; D106.B6 248.38,81.28 ; D106.B6 249.19,80.47 ; D106.B6 250,81.28 ; 238.22,388.62 D112.B16 ; D112.B16 239.84,388.62 ; D112.B16 239.03,387.81 ; D112.B16 239.03,389.43 ; 96.79,55.07 D123.A4 ; D123.A4 95.98,55.88 ; D123.A4 96.79,56.69 ; D123.A4 97.6,55.88 ; D231.A11 30.75,376.73 ; D231.A11 30.75,375.11 ; D231.A11 31.56,375.92 ; D231.A11 29.94,375.92 ; D431.B16 18.86,378.46 ; D431.B16 17.24,378.46 ; D431.B16 18.05,379.27 ; D431.B16 18.05,377.65 ; D107.B12 265.24,60.96 ; D107.B12 264.43,60.15 ; D107.B12 263.62,60.96 ; D107.B12 264.43,61.77 ; 277.13,395.43 D112.A1 ; D112.A1 277.94,396.24 ; D112.A1 277.13,397.05 ; D112.A1 276.32,396.24 ; 103.6,53.34 D123.A7 ; D123.A7 104.41,52.53 ; D123.A7 105.22,53.34 ; D123.A7 104.41,54.15 ; 121.38,383.54 D427.A4 ; D427.A4 122.19,384.35 ; D427.A4 122.19,382.73 ; D427.A4 123,383.54 ; 47.72,388.62 D232.B4 ; D232.B4 48.53,389.43 ; D232.B4 49.34,388.62 ; D232.B4 48.53,387.81 ; 241.57,395.43 D112.A15 ; D112.A15 241.57,397.05 ; D112.A15 240.76,396.24 ; D112.A15 242.38,396.24 ; CSDPS226.C13 99.33,351.33 ; CSDPS226.C13 99.33,349.71 ; CSDPS226.C13 100.14,350.52 ; CSDPS226.C13 98.52,350.52 ; 273.78,373.38 D111.A2 ; D111.A2 274.59,374.19 ; D111.A2 274.59,372.57 ; D111.A2 275.4,373.38 ; D106.A1 236.49,74.47 ; D106.A1 236.49,72.85 ; D106.A1 237.3,73.66 ; D106.A1 235.68,73.66 ; D107.A8 255.08,55.88 ; D107.A8 254.27,55.07 ; D107.A8 254.27,56.69 ; D107.A8 253.46,55.88 ; D103.A11 188.23,54.15 ; D103.A11 188.23,52.53 ; D103.A11 189.04,53.34 ; D103.A11 187.42,53.34 ; 48.53,382.73 D431.A4 ; D431.A4 47.72,383.54 ; D431.A4 48.53,384.35 ; D431.A4 49.34,383.54 ; 271.24,391.16 D112.B3 ; D112.B3 272.05,390.35 ; D112.B3 272.05,391.97 ; D112.B3 272.86,391.16 ; 24.86,58.42 D119.B5 ; D119.B5 26.48,58.42 ; D119.B5 25.67,59.23 ; D119.B5 25.67,57.61 ; 18.05,367.49 D231.B16 ; D231.B16 17.24,368.3 ; D231.B16 18.05,369.11 ; D231.B16 18.86,368.3 ; 19.18,361.14 UHC430.G1_6 ; UHC430.G1_6 18.37,361.95 ; UHC430.G1_6 19.99,361.95 ; UHC430.G1_6 19.18,362.76 ; DPS1.A11 262.7,13.97 ; DPS1.A11 261.89,13.16 ; DPS1.A11 261.08,13.97 ; DPS1.A11 261.89,14.78 ; D114.B1 204.28,350.52 ; D114.B1 202.66,350.52 ; D114.B1 203.47,351.33 ; D114.B1 203.47,349.71 ; 17.24,332.74 CSDPS229.B16 ; CSDPS229.B16 18.86,332.74 ; CSDPS229.B16 18.05,333.55 ; CSDPS229.B16 18.05,331.93 ; CSDPS429.C9 35.83,341.17 ; CSDPS429.C9 35.83,339.55 ; CSDPS429.C9 35.02,340.36 ; CSDPS429.C9 36.64,340.36 ; 268.7,327.66 D109.B4 ; D109.B4 270.32,327.66 ; D109.B4 269.51,326.85 ; D109.B4 269.51,328.47 ; 182.34,78.74 D102.B9 ; D102.B9 183.15,79.55 ; D102.B9 183.15,77.93 ; D102.B9 183.96,78.74 ; 94.25,359.87 CSDPS426.C15 ; CSDPS426.C15 94.25,361.49 ; CSDPS426.C15 93.44,360.68 ; CSDPS426.C15 95.06,360.68 ; D114.B9 183.96,350.52 ; D114.B9 183.15,349.71 ; D114.B9 183.15,351.33 ; D114.B9 182.34,350.52 ; 91.71,397.97 D428.B16 ; D428.B16 91.71,399.59 ; D428.B16 90.9,398.78 ; D428.B16 92.52,398.78 ; D428.A6 117.92,403.86 ; D428.A6 116.3,403.86 ; D428.A6 117.11,404.67 ; D428.A6 117.11,403.05 ; D120.B2 18.86,40.64 ; D120.B2 18.05,41.45 ; D120.B2 18.05,39.83 ; D120.B2 17.24,40.64 ; D427.A16 92.52,383.54 ; D427.A16 91.71,382.73 ; D427.A16 90.9,383.54 ; D427.A16 91.71,384.35 ; 48.53,39.83 D120.B14 ; D120.B14 48.53,41.45 ; D120.B14 47.72,40.64 ; D120.B14 49.34,40.64 ; D109.B6 265.24,327.66 ; D109.B6 264.43,326.85 ; D109.B6 263.62,327.66 